# Altium PCB uz_mz_adapter.PcbDoc (part 1 of 2) (continued)
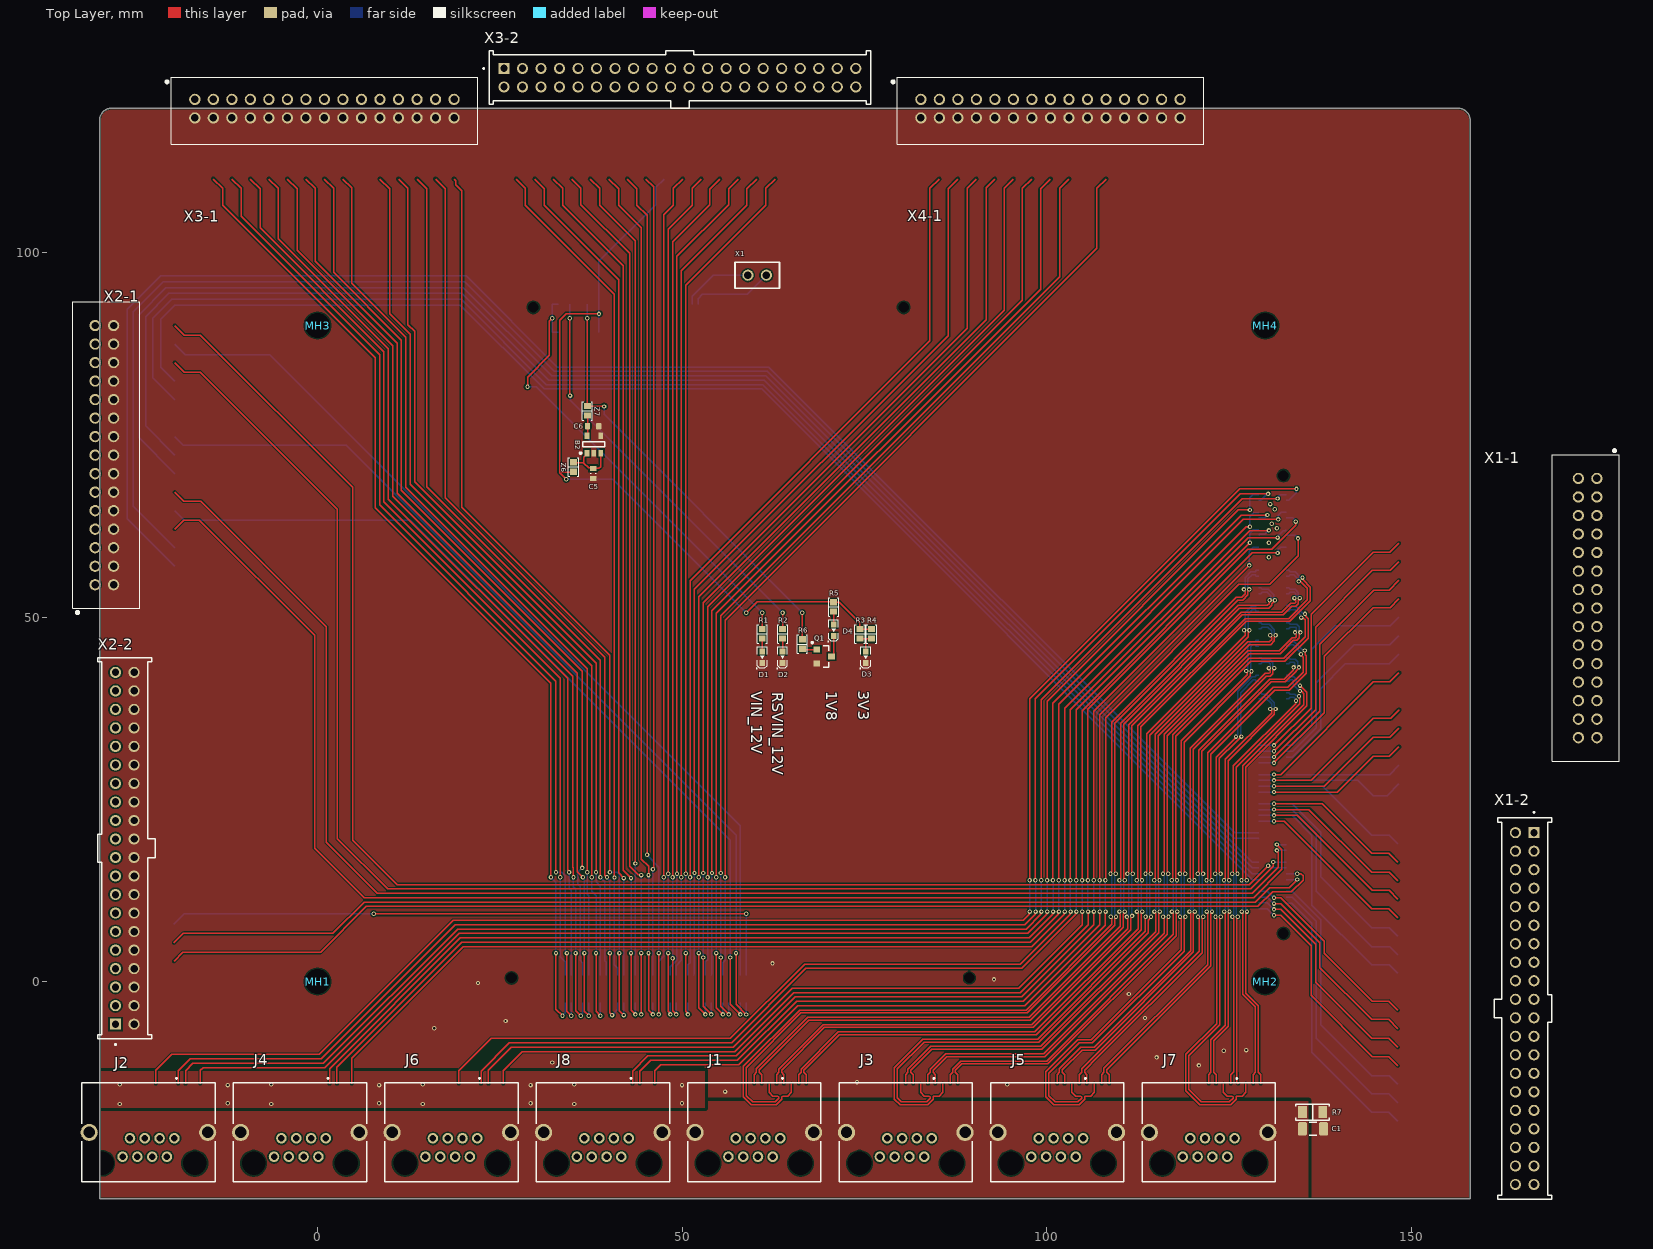
[diagram p0: Top Layer view]
## Classes and differential pairs
component class LDO: B2 C5 C6 Z6 Z7
component class ZB3: X2-1 X3-1 X4-1 Z3
component class ZB2: C1 J1 J2 J3 J4 J5 J6 J7 J8 R7 X1-1 Z2
component class ZB1: D1 D2 D3 D4 MH1 MH2 MH3 MH4 Q1 R1 R2 R3 R4 R5 R6 X1 Z1
differential pair AI: +AI_P1 -AI_N1
differential pair AI: +AI_P10 -AI_N10
differential pair AI: +AI_P12 -AI_N12
differential pair AI: +AI_P14 -AI_N14
differential pair AI: +AI_P16 -AI_N16
differential pair AI: +AI_P15 -AI_N15
differential pair AI: +AI_P13 -AI_N13
differential pair AI: +AI_P11 -AI_N11
differential pair AI: +AI_P9 -AI_N9
differential pair AI: +AI_P4 -AI_N4
differential pair AI: +AI_P5 -AI_N5
differential pair AI: +AI_P6 -AI_N6
differential pair AI: +AI_P8 -AI_N8
differential pair AI: +AI_P7 -AI_N7
differential pair AI: +AI_P3 -AI_N3
differential pair AI: +AI_P2 -AI_N2

## Components (designator, comment, footprint, x,y, rotation, side; value= is the part's Value field where it differs from the comment)
B2 "1.8 V" SOT23-5_L 37.9,73.7 r90 top
C1 "100 pF" C_1206_TE 136.55,-20.2 r90 top
C5 "1 µF" C_0603 37.8,69.7 r90 top
C6 "10 u" C_0603_TE 37.8,76.2 r90 top
D1 "150060BS84000" WL-SMCW_0603 61,44.5 r90 top
D2 "NCD0603W1" WL-SMCW_0603 63.8,44.5 r90 top
D3 "FC-DA1608HOK-600H" WL-SMCW_0603 75.2,44.5 r90 top
D4 "150060YS75000" WL-SMCW_0603 70.8,48.2 r90 top value="LED Yellow"
J1 "RJHSE3M80" RJHSE3M80 63.466,-21.5 r0 top
J2 "RJHSE3M80" RJHSE3M80 -19.646,-21.5 r0 top
J3 "RJHSE3M80" RJHSE3M80 84.244,-21.5 r0 top
J4 "RJHSE3M80" RJHSE3M80 1.132,-21.5 r0 top
J5 "RJHSE3M80" RJHSE3M80 105.022,-21.5 r0 top
J6 "RJHSE3M80" RJHSE3M80 21.91,-21.5 r0 top
J7 "RJHSE3M80" RJHSE3M80 125.8,-21.5 r0 top
J8 "RJHSE3M80" RJHSE3M80 42.688,-21.5 r0 top
MH1 "Mounting Hole M3" MH_3.4 0,0 r90 top value="Mounting Hole"
MH2 "Mounting Hole M3" MH_3.4 130,0 r90 top locked value="Mounting Hole"
MH3 "Mounting Hole M3" MH_3.4 0,90 r90 top locked value="Mounting Hole"
MH4 "Mounting Hole M3" MH_3.4 130,90 r90 top locked value="Mounting Hole"
Q1 "SBC846BLT3G" SOT-23-3_ONSC 69.5,44.6 r0 top value="65 V"
R1 "4k3" "RES 0603_1608" 61,47.7 r90 top
R2 "20k" "RES 0603_1608" 63.8,47.7 r90 top
R3 "1k" "RES 0603_1608" 74.4,47.7 r90 top
R4 "1k" "RES 0603_1608" 76,47.7 r90 top
R5 "470R" "RES 0603_1608" 70.8,51.4 r90 top
R6 "4k3" "RES 0603_1608" 66.5,46.3 r90 top
R7 "1M" "RES 1206_3216" 136.5,-17.9 r0 top
X1 "TSW-102-07-L-S" TSW-102-XX-XXX-S 60.3,96.9 r0 top
X1-1 "IPL1-115-01-L-D-K" IPL1-115-01-YYY-D-K 174.23,51.24 r270 top
X1-2 "IPL1-120-01-L-D-K" SAMTEC_IPL1-120-01-X-D-K 165.6,-3.7 r270 top
X2-1 "IPL1-115-01-L-D-K" IPL1-115-01-YYY-D-K -29.25,72.22 r90 top
X2-2 "IPL1-120-01-L-D-K" SAMTEC_IPL1-120-01-X-D-K -26.45,18.29 r90 top
X3-1 "IPL1-115-01-L-D-K" IPL1-115-01-YYY-D-K 0.94,119.752 r0 top
X3-2 "IPL1-120-01-L-D-K" SAMTEC_IPL1-120-01-X-D-K 49.7,124 r0 top
X4-1 "IPL1-115-01-L-D-K" IPL1-115-01-YYY-D-K 100.54,119.752 r0 top
Z1 "ERM8-060-02.0-L-DV-TR" ERM8-060-02.0-L-DV 55,91 r0 bottom locked
Z2 "ERM8-075-02.0-L-DV-TR" ERM8-075-02.0-L-DV 131,38 r270 bottom locked
Z3 "ERM8-075-02.0-L-DV-TR" ERM8-075-02.0-L-DV 58,-1 r0 bottom locked
Z6 "0R" "RES 0603_1608" 35.1,70.6 r270 top
Z7 "0R" "RES 0603_1608" 37,78.3 r270 top

## Footprints (in the part's own frame and the unit in brackets; to place one, negate y for a bottom-side part, rotate by r counter-clockwise, add the part's x,y. Pads: shape width x height; smd on the part's side, far side on the other; paste and mask are expansions set on the pad)
C_0603 [mm] "Chip Capacitor, Body 1.6x0.8mm, Height 1.0mm, IPC High Density"
  rect 0.7x0.9 smd: 1(-0.7,0) 2(0.7,0)
  silkscreen extent -0.05,-0.35 0.05,0.35, body extent -0.87,-0.47 0.88,0.48, height 1
C_0603_TE [mm] "Vishay VJ0603 1.6 x 0.8 (+0.15/-0.1) 0.4 +/- 0,15mm Kontakte"
  rrect33% 0.88x0.71 smd: 1(0,0.77) 2(0,-0.77)
  body extent -0.4,-0.8 0.4,0.8, height 1
C_1206_TE [mm]
  rrect33% 1.82x1.21 smd: 1(0,1.45) 2(0,-1.45)
  silkscreen extent -0.9,-0.5 0.9,0.5, body extent -0.81,-1.6 0.81,1.6, height 1.82
ERM8-060-02.0-L-DV [mm]
  rrect33% 0.5x1.1 smd: 1(-23.6,1.9) 2(-23.6,-1.9) 3(-22.8,1.9) 4(-22.8,-1.9) 5(-22,1.9) 6(-22,-1.9) 7(-21.2,1.9) 8(-21.2,-1.9) 9(-20.4,1.9) 10(-20.4,-1.9) 11(-19.6,1.9) 12(-19.6,-1.9) 13(-18.8,1.9) 14(-18.8,-1.9) 15(-18,1.9) 16(-18,-1.9) 17(-17.2,1.9) 18(-17.2,-1.9) 19(-16.4,1.9) 20(-16.4,-1.9) 21(-15.6,1.9) 22(-15.6,-1.9) 23(-14.8,1.9) 24(-14.8,-1.9) 25(-14,1.9) 26(-14,-1.9) 27(-13.2,1.9) 28(-13.2,-1.9) 29(-12.4,1.9) 30(-12.4,-1.9) 31(-11.6,1.9) 32(-11.6,-1.9) 33(-10.8,1.9) 34(-10.8,-1.9) 35(-10,1.9) 36(-10,-1.9) 37(-9.2,1.9) 38(-9.2,-1.9) 39(-8.4,1.9) 40(-8.4,-1.9) 41(-7.6,1.9) 42(-7.6,-1.9) 43(-6.8,1.9) 44(-6.8,-1.9) 45(-6,1.9) 46(-6,-1.9) 47(-5.2,1.9) 48(-5.2,-1.9) 49(-4.4,1.9) 50(-4.4,-1.9) 51(-3.6,1.9) 52(-3.6,-1.9) 53(-2.8,1.9) 54(-2.8,-1.9) 55(-2,1.9) 56(-2,-1.9) 57(-1.2,1.9) 58(-1.2,-1.9) 59(-0.4,1.9) 60(-0.4,-1.9) 61(0.4,1.9) 62(0.4,-1.9) 63(1.2,1.9) 64(1.2,-1.9) 65(2,1.9) 66(2,-1.9) 67(2.8,1.9) 68(2.8,-1.9) 69(3.6,1.9) 70(3.6,-1.9) 71(4.4,1.9) 72(4.4,-1.9) 73(5.2,1.9) 74(5.2,-1.9) 75(6,1.9) 76(6,-1.9) 77(6.8,1.9) 78(6.8,-1.9) 79(7.6,1.9) 80(7.6,-1.9) 81(8.4,1.9) 82(8.4,-1.9) 83(9.2,1.9) 84(9.2,-1.9) 85(10,1.9) 86(10,-1.9) 87(10.8,1.9) 88(10.8,-1.9) 89(11.6,1.9) 90(11.6,-1.9) 91(12.4,1.9) 92(12.4,-1.9) 93(13.2,1.9) 94(13.2,-1.9) 95(14,1.9) 96(14,-1.9) 97(14.8,1.9) 98(14.8,-1.9) 99(15.6,1.9) 100(15.6,-1.9) 101(16.4,1.9) 102(16.4,-1.9) 103(17.2,1.9) 104(17.2,-1.9) 105(18,1.9) 106(18,-1.9) 107(18.8,1.9) 108(18.8,-1.9) 109(19.6,1.9) 110(19.6,-1.9) 111(20.4,1.9) 112(20.4,-1.9) 113(21.2,1.9) 114(21.2,-1.9) 115(22,1.9) 116(22,-1.9) 117(22.8,1.9) 118(22.8,-1.9) 119(23.6,1.9) 120(23.6,-1.9)
  round 0 hole 1.45 unplated: H1(-25.4,-1.5) H2(25.4,-1.5)
  silkscreen extent -27,-2.8 27,3.5, body extent -27,-2.8 27,2.8, height 5.96
ERM8-075-02.0-L-DV [mm]
  rrect33% 0.5x1.1 smd: 1(-29.6,1.9) 2(-29.6,-1.9) 3(-28.8,1.9) 4(-28.8,-1.9) 5(-28,1.9) 6(-28,-1.9) 7(-27.2,1.9) 8(-27.2,-1.9) 9(-26.4,1.9) 10(-26.4,-1.9) 11(-25.6,1.9) 12(-25.6,-1.9) 13(-24.8,1.9) 14(-24.8,-1.9) 15(-24,1.9) 16(-24,-1.9) 17(-23.2,1.9) 18(-23.2,-1.9) 19(-22.4,1.9) 20(-22.4,-1.9) 21(-21.6,1.9) 22(-21.6,-1.9) 23(-20.8,1.9) 24(-20.8,-1.9) 25(-20,1.9) 26(-20,-1.9) 27(-19.2,1.9) 28(-19.2,-1.9) 29(-18.4,1.9) 30(-18.4,-1.9) 31(-17.6,1.9) 32(-17.6,-1.9) 33(-16.8,1.9) 34(-16.8,-1.9) 35(-16,1.9) 36(-16,-1.9) 37(-15.2,1.9) 38(-15.2,-1.9) 39(-14.4,1.9) 40(-14.4,-1.9) 41(-13.6,1.9) 42(-13.6,-1.9) 43(-12.8,1.9) 44(-12.8,-1.9) 45(-12,1.9) 46(-12,-1.9) 47(-11.2,1.9) 48(-11.2,-1.9) 49(-10.4,1.9) 50(-10.4,-1.9) 51(-9.6,1.9) 52(-9.6,-1.9) 53(-8.8,1.9) 54(-8.8,-1.9) 55(-8,1.9) 56(-8,-1.9) 57(-7.2,1.9) 58(-7.2,-1.9) 59(-6.4,1.9) 60(-6.4,-1.9) 61(-5.6,1.9) 62(-5.6,-1.9) 63(-4.8,1.9) 64(-4.8,-1.9) 65(-4,1.9) 66(-4,-1.9) 67(-3.2,1.9) 68(-3.2,-1.9) 69(-2.4,1.9) 70(-2.4,-1.9) 71(-1.6,1.9) 72(-1.6,-1.9) 73(-0.8,1.9) 74(-0.8,-1.9) 75(0,1.9) 76(0,-1.9) 77(0.8,1.9) 78(0.8,-1.9) 79(1.6,1.9) 80(1.6,-1.9) 81(2.4,1.9) 82(2.4,-1.9) 83(3.2,1.9) 84(3.2,-1.9) 85(4,1.9) 86(4,-1.9) 87(4.8,1.9) 88(4.8,-1.9) 89(5.6,1.9) 90(5.6,-1.9) 91(6.4,1.9) 92(6.4,-1.9) 93(7.2,1.9) 94(7.2,-1.9) 95(8,1.9) 96(8,-1.9) 97(8.8,1.9) 98(8.8,-1.9) 99(9.6,1.9) 100(9.6,-1.9) 101(10.4,1.9) 102(10.4,-1.9) 103(11.2,1.9) 104(11.2,-1.9) 105(12,1.9) 106(12,-1.9) 107(12.8,1.9) 108(12.8,-1.9) 109(13.6,1.9) 110(13.6,-1.9) 111(14.4,1.9) 112(14.4,-1.9) 113(15.2,1.9) 114(15.2,-1.9) 115(16,1.9) 116(16,-1.9) 117(16.8,1.9) 118(16.8,-1.9) 119(17.6,1.9) 120(17.6,-1.9) 121(18.4,1.9) 122(18.4,-1.9) 123(19.2,1.9) 124(19.2,-1.9) 125(20,1.9) 126(20,-1.9) 127(20.8,1.9) 128(20.8,-1.9) 129(21.6,1.9) 130(21.6,-1.9) 131(22.4,1.9) 132(22.4,-1.9) 133(23.2,1.9) 134(23.2,-1.9) 135(24,1.9) 136(24,-1.9) 137(24.8,1.9) 138(24.8,-1.9) 139(25.6,1.9) 140(25.6,-1.9) 141(26.4,1.9) 142(26.4,-1.9) 143(27.2,1.9) 144(27.2,-1.9) 145(28,1.9) 146(28,-1.9) 147(28.8,1.9) 148(28.8,-1.9) 149(29.6,1.9) 150(29.6,-1.9)
  round 0 hole 1.45 unplated: H1(-31.4,-1.5) H2(31.4,-1.5)
  silkscreen extent -33,-2.8 33,3.25, body extent -33,-2.8 33,2.8, height 5.96
IPL1-115-01-YYY-D-K [mm]
  round 1.55 hole 1.02: 1(-17.78,1.27) 2(-15.24,1.27) 3(-12.7,1.27) 4(-10.16,1.27) 5(-7.62,1.27) 6(-5.08,1.27) 7(-2.54,1.27) 8(0,1.27) 9(2.54,1.27) 10(5.08,1.27) 11(7.62,1.27) 12(10.16,1.27) 13(12.7,1.27) 14(15.24,1.27) 15(17.78,1.27) 16(-17.78,-1.27) 17(-15.24,-1.27) 18(-12.7,-1.27) 19(-10.16,-1.27) 20(-7.62,-1.27) 21(-5.08,-1.27) 22(-2.54,-1.27) 23(0,-1.27) 24(2.54,-1.27) 25(5.08,-1.27) 26(7.62,-1.27) 27(10.16,-1.27) 28(12.7,-1.27) 29(15.24,-1.27) 30(17.78,-1.27)
  silkscreen extent -21.69,-4.85 21.01,4.32, body extent -19.81,-4.19 19.81,3.68, height 8.13
MH_3.4 [mm]
  round 3.1 hole 3.4 unplated: 1(0,0)
"RES 0603_1608" [mm] "Chip Resistor, 2-Leads, Body 1.60x0.80mm, IPC Medium Density"
  rect 0.85x0.95 smd: 1(-0.65,0) 2(0.65,0)
  silkscreen extent -1.27,-0.7 1.27,0.7, body extent -0.8,-0.4 0.8,0.4, height 0.45
"RES 1206_3216" [mm] "Chip Resistor, 2-Leads, Body 3.13x1.55mm, IPC Medium Density"
  rect 1.2x1.65 smd: 1(-1.4,0) 2(1.4,0)
  silkscreen extent -2.3,-1.1 2.3,1.1, body extent -1.6,-0.8 1.6,0.8, height 0.6
RJHSE3M80 [mm]
  round 1.446 hole 0.89: 1(0,0) 2(-1.02,-2.54) 3(-2.03,0) 4(-3.05,-2.54) 5(-4.06,0) 6(-5.08,-2.54) 7(-6.09,0) 8(-7.11,-2.54)
  round 1.625 hole 3.25 unplated: MH3(2.795,-3.43) MH4(-9.905,-3.43)
  round 2.355 hole 1.57: Shell(-11.685,0.81) Shell(4.575,0.81)
  silkscreen extent -12.7,-5.97 5.59,8.32, body extent -12.69,-5.96 5.59,7.61, height 15.89
SAMTEC_IPL1-120-01-X-D-K [mm]
  rect 1.53x1.53 hole 1.02: 1(-24.13,1.27)
  round 1.53 hole 1.02: 2(-21.59,1.27) 3(-19.05,1.27) 4(-16.51,1.27) 5(-13.97,1.27) 6(-11.43,1.27) 7(-8.89,1.27) 8(-6.35,1.27) 9(-3.81,1.27) 10(-1.27,1.27) 11(1.27,1.27) 12(3.81,1.27) 13(6.35,1.27) 14(8.89,1.27) 15(11.43,1.27) 16(13.97,1.27) 17(16.51,1.27) 18(19.05,1.27) 19(21.59,1.27) 20(24.13,1.27) 21(-24.13,-1.27) 22(-21.59,-1.27) 23(-19.05,-1.27) 24(-16.51,-1.27) 25(-13.97,-1.27) 26(-11.43,-1.27) 27(-8.89,-1.27) 28(-6.35,-1.27) 29(-3.81,-1.27) 30(-1.27,-1.27) 31(1.27,-1.27) 32(3.81,-1.27) 33(6.35,-1.27) 34(8.89,-1.27) 35(11.43,-1.27) 36(13.97,-1.27) 37(16.51,-1.27) 38(19.05,-1.27) 39(21.59,-1.27) 40(24.13,-1.27)
  silkscreen extent -27.02,-4.2 26.16,3.67, body extent -26.16,-4.19 26.16,3.68, height 8.13
SOT23-5_L [mm] "SOT23, 5-Leads, Body 2.9x1.6mm, Pitch 0.95mm, Lead Span 2.8mm, IPC High Density"
  rect 0.9x0.65 smd: 1(-1.2,0.95) 2(-1.2,0) 3(-1.2,-0.95) 4(1.2,-0.95) 5(1.2,0.95)
  silkscreen extent -1.32,-1.5 0.35,1.95, body extent -0.87,-1.5 0.87,1.5, height 1.45
SOT-23-3_ONSC [mm] "SOT23, 3-Leads, Body 2.92x1.3mm, Pitch 0.95mm"
  rect 0.9x0.8 smd: 1(-1,0.95) 2(-1,-0.95) 3(1,0)
  silkscreen extent -1.77,-1.46 0.65,2.03, body extent -0.65,-1.46 0.65,1.46, height 1.11
TSW-102-XX-XXX-S [mil]
  round 60 hole 40 mask+3: 1(-50,0) 2(50,0)
  silkscreen extent -120,-70 120,70, body extent -105,-50 100,50, height 330
WL-SMCW_0603 [mm] "SMD Mono-color Chip LED, body 1.6x0.8mm"
  rect 0.8x0.8 smd: 1(-0.8,0) 2(0.8,0)
  silkscreen extent -1.59,-0.65 1.45,0.83, body extent -0.8,-0.4 0.8,0.4, height 0.7

## Part data
B2: library part TPS7A2018PDBVR, "300mA, ultra-low noise, LDO, 1V6 < Vin < 6V, 0.8V < Vout < 5V5", Device Package=SOT-23-5L, LCSC Part Number=C963430, Manufacturer="Texas Instruments", Mouser Part Number=595-TPS7A2018PDBVR, Operating Temperature="-40 to +125 °C", Component Type=LDO, ComponentLink1Description=Datasheet, ComponentLink1URL=https://www.ti.com/lit/ds/symlink/tps7a20.pdf, Created from=RWeimer, Created On="29.05.2026 15:18:52", Datasheet Link=https://datasheet.datasheetarchive.com/originals/distributors/Datasheets_SAMA/e65d9d311cedf91014769949f3101225.pdf, Geometry.Height=1.45mm, Last Updated="29.05.2026 15:18:52", Live Cycle Status=1, Manufacturer Part Number=TPS7A2018PDBVR, Manufacturer_Name="Texas Instruments", Manufacturer_Part_Number=TPS7A2018PDBVR, Mounting Type=SMD, Mouser Price/Stock=https://www.mouser.co.uk/ProductDetail/Texas-Instruments/TPS7A2018PDBVR?qs=hd1VzrDQEGheW9qdrIVGew%3D%3D, PartID=28, Series=TPS7A20, Stock number="not stored", Supplier 1=Mouser, Supplier 2=LCSC, Supplier Part Number 1=595-TPS7A2018PDBVR, Supplier Part Number 2=C963430, Type=LDO
C1: library part CC1206JKNPODBN101, "2kV 100pF NP0 ±5% 1206 Multilayer Ceramic Capacitors MLCC - SMD/SMT ROHS", Device Package=1206, LCSC Part Number=C113876, Manufacturer=YAGEO, Operating Temperature="-55 to +125°C", Tolerance="5 %", Voltage Rating="2000 VDC", Component Type="Capacitor 1206", ComponentLink1Description=Datasheet, ComponentLink1URL=https://datasheet.lcsc.com/lcsc/2108131530_YAGEO-CC1206JKNPODBN101_C113876.pdf, Created from=AGeiger, Created On="02.12.2022 11:59:53", Last Updated="22.04.2025 15:53:45", Live Cycle Status=1, Manufacturer Part Number=CC1206JKNPODBN101, Mounting Type=SMD, PartID=115, Series=NP0, Supplier 1=LCSC, Supplier Part Number 1=C113876, Type=Capacitor
C5: library part C0603C105K3RAC7411, "Capacitor 0603, 25 VDC, 1 µF, X7R", Device Package=0603, LCSC Part Number=C2177372, Manufacturer=KEMET, Operating Temperature="-55 - 125°C", Supplier Part Number 1=80-C0603C105K3RLR, Tolerance="10 %", Voltage Rating="25 VDC", Component Type="Capacitor 0603", ComponentLink1Description=Datasheet, ComponentLink1URL=https://www.mouser.de/datasheet/2/212/KEM_C1002_X7R_SMD-1102033.pdf, Created from=MGremer, Created On="20.12.2020 13:54:13", Last Updated="03.06.2026 10:02:26", Live Cycle Status=1, Manufacturer Part Number=C0603C105K3RAC7411, Mounting Type=SMD, PartID=4, Series="SMD Comm X7R", Stock number="Labor SMD Container", Supplier 1=Mouser, Supplier 2=LCSC, Supplier Part Number 2=C2177372, Type=Capacitor
C6: library part HGC0603R5106K350NTHJ, "10uF 35V X5R ±10% 0603 Multilayer Ceramic Capacitors MLCC", Device Package=0603, LCSC Part Number=C22367826, Manufacturer=Chinocera, Operating Temperature="-55 to + 85°C", Tolerance="10 %", Voltage Rating="35 V", Component Type="Capacitor 0603", ComponentLink1Description=Datasheet, ComponentLink1URL=https://www.lcsc.com/datasheet/C22367826.pdf, Created from=RWeimer, Created On="22.06.2026 13:41:26", Last Updated="22.06.2026 13:41:26", Live Cycle Status=1, Manufacturer Part Number=HGC0603R5106K350NTHJ, Mounting Type=SMD, PartID=513, Series=X5R, Supplier 1=LCSC, Supplier Part Number 1=C22367826, Type=Capacitor
D1: "WL-SMCW SMD Mono-color Chip LED Waterclear Blue", Color=blue, Device Package=0603, Forward Current I_f="20 mA", Forward Voltage U_f="3.2 V", LCSC Part Number=C5197644, Manufacturer="Wuerth Elektronik", Nominal Power="78 mW", Operating Temperature="-40 - 85 °C", Supplier Part Number 1=710-150060BS84000, Component Type="LED Diode", ComponentLink1Description=Datasheet, ComponentLink1URL=https://www.we-online.com/components/products/datasheet/150060BS75000.pdf, Created from=MGremer, Created On="08.12.2020 10:19:38", Last Updated="22.04.2026 11:55:05", Light Intensity="560 mcd", Live Cycle Status=1, Manufacturer Part Number=150060BS84000, Mounting Type=SMD, PartID=1, Stock number="not stored", Supplier 1=Mouser, Supplier 2=Farnell, Supplier 3=Digi-Key, Supplier Part Number 2=3408611, Supplier Part Number 3=732-150060BS84000CT-ND, Type=Standard, Wavelength="470 nm"
D2: "White light 0603 Light Emitting Diodes (LED) ROHS", Color=white, Device Package=0603, Forward Current I_f="20 mA", Forward Voltage U_f="2.8 V", LCSC Part Number=C84265, Manufacturer="Foshan NationStar Optoelectronics", Nominal Power="72 mW", Operating Temperature="-40 - 85 °C", Component Type="LED Diode", ComponentLink1Description=Datasheet, ComponentLink1URL=https://www.lcsc.com/datasheet/C84265.pdf, Created from=NDiringer, Created On="03.05.2022 13:11:03", Last Updated="22.04.2026 11:55:05", Light Intensity="250 mcd", Live Cycle Status=1, Manufacturer Part Number=NCD0603W1, Mounting Type=SMD, PartID=13, Stock number="not stored", Supplier 1=LCSC, Supplier Part Number 1=C84265, Type=Standard
D3: "LED ORANGE 600~610NM 80~220MCD@20MA TOP VIEW 0603 ROHS", Color=amber, Device Package=0603, Forward Current I_f="20 mA", Forward Voltage U_f="2 V", LCSC Part Number=C84269, Manufacturer="Foshan NationStar Optoelectronics", Nominal Power="40 mW", Operating Temperature="-40 - 85 °C", Component Type="LED Diode", ComponentLink1Description=Datasheet, ComponentLink1URL=https://www.lcsc.com/datasheet/C84269.pdf, Created from="T. Wendt", Created On="03.03.2021 09:59:51", Last Updated="22.04.2026 11:55:05", Light Intensity="150 mcd", Live Cycle Status=1, Manufacturer Part Number=FC-DA1608HOK-600H, Mounting Type=SMD, PartID=10, Stock number="not stored", Supplier 1=LCSC, Supplier Part Number 1=C84269, Type=Standard, Wavelength="604 nm"
D4: "LED Yellow 20mA 2V 0603", Color=yellow, Device Package=0603, Forward Current I_f="20 mA", Forward Voltage U_f="2 V", LCSC Part Number=C6784997, Manufacturer="Wuerth Elektronik", Operating Temperature="-40 to +85 °C", Component Type="LED Diode", ComponentLink1Description=Datasheet, ComponentLink1URL=https://www.we-online.com/components/products/datasheet/150060YS75000.pdf, Created from=RWeimer, Created On="03.06.2026 10:18:01", Last Updated="03.06.2026 10:18:43", Live Cycle Status=1, Manufacturer Part Number=150060YS75000, Mounting Type=SMD, PartID=37, Stock number="not stored", Supplier 1=LCSC, Supplier Part Number 1=C6784997, Type=Standard, Wavelength="590 nm"
J1 J2 J3 J4 J5 J6 J7 J8: "CAT5, RJ45 Connector, 1 port, vertical", Device Package=RJ45, LCSC Part Number=C3179193, Manufacturer=Amphenol, Supplier Part Number 1=523-RJHSE3M80, Component Type="RJ45 Connector", ComponentLink1Description=Datasheet, ComponentLink1URL=https://cdn.amphenol-cs.com/media/wysiwyg/files/documentation/datasheet/inputoutput/io-modjack-rjhse.pdf, Created from=DHufnagel, Created On="06.06.2023 05:55:53", Last Updated="06.06.2023 05:55:53", Live Cycle Status=1, Manufacturer Part Number=RJHSE3M80, Mounting Type=THT, PartID=12, Series=RJHSE, Stock number="not stored", Supplier 1=Mouser, Supplier 2=LCSC, Supplier Part Number 2=C3179193, Type="RJ45 Connector"
MH1 MH2 MH3 MH4: library part "Mounting Hole", "Mounting Hole", Device Package=-, Component Type="Mounting Hole", ComponentLink1Description=Datasheet, Created from=MHlatky, Created On="26.01.2021 09:19:51", Last Updated="21.03.2022 23:05:12", Live Cycle Status=1, Manufacturer="Mounting Hole", Manufacturer Part Number="Mounting Hole M3", PartID=16, Stock number="not stored", Supplier 1="Mounting Hole", Supplier Part Number 1="Mounting Hole", Type="Mounting Hole"
Q1: "Bipolartransistor, NPN 100mA 80V", Collector Basis Voltage="80 V", Collector Emitter Voltage="65 V", Device Package=SOT-23-3, LCSC Part Number=C896883, Manufacturer=onsemi, Operating Temperature="-55 - +150°C", Power Dissipation="225 mW", Supplier Part Number 1=863-SBC846BLT3G, Component Type=Bipolartransistor, ComponentLink1Description=Datasheet, ComponentLink1URL=https://www.lcsc.com/datasheet/C896883.pdf, Created from=RWeimer, Created On="22.06.2026 10:09:39", Last Updated="22.06.2026 10:09:39", Live Cycle Status=1, Manufacturer Part Number=SBC846BLT3G, Mounting Type=SMD, Number of Channels=single, PartID=7, Polarization=NPN, Series=BC846BL, Supplier 1=Mouser, Supplier 2=LCSC, Supplier Part Number 2=C896883, Type=Bipolartransistor
R1 R6: library part RK73B1JTTD432J, "SMD resistor E24 series", Device Package=0603, LCSC Part Number=C307285, Manufacturer="KOA Speer", Supplier Part Number 1=660-RK73B1JTTD432J, Tolerance=5%, Component Type="SMD resistor", ComponentLink1Description=Datasheet, ComponentLink1URL=https://www.mouser.de/datasheet/2/219/RK73B-1825463.pdf, Created from=MGremer, Created On="14.12.2020 16:17:14", Last Updated="10.04.2026 07:56:16", Live Cycle Status=1, Manufacturer Part Number=RK73B1JTTD432J, Mounting Type=SMD, PartID=89, Stock number="Labor SMD Container", Supplier 1=Mouser, Type=Resistor
R2: library part 0603WAF2002T5E, "SMD resistor E24 series", Device Package=0603, LCSC Part Number=C4184, Manufacturer=UNI-ROYAL, Tolerance=1%, Component Type="SMD resistor", ComponentLink1Description=Datasheet, ComponentLink1URL=https://datasheet.lcsc.com/lcsc/2206010230_UNI-ROYAL-Uniroyal-Elec-0603WAF2002T5E_C4184.pdf, Created from=AGeiger, Created On="14.12.2020 16:17:14", Last Updated="25.08.2022 20:05:50", Live Cycle Status=1, Manufacturer Part Number=0603WAF2002T5E, Mounting Type=SMD, PartID=105, Stock number="Labor SMD Container", Supplier 1=LCSC, Supplier Part Number 1=C4184, Type=Resistor
R3 R4: library part 0603WAF1001T5E, "SMD resistor E24 series", Device Package=0603, LCSC Part Number=C21190, Manufacturer=UNI-ROYAL, Tolerance=1%, Component Type="SMD resistor", ComponentLink1Description=Datasheet, ComponentLink1URL=https://datasheet.lcsc.com/lcsc/2206010130_UNI-ROYAL-Uniroyal-Elec-0603WAF1001T5E_C21190.pdf, Created from=AGeiger, Created On="14.12.2020 16:17:14", Last Updated="25.08.2022 16:01:46", Live Cycle Status=1, Manufacturer Part Number=0603WAF1001T5E, Mounting Type=SMD, PartID=74, Stock number="Labor SMD Container", Supplier 1=LCSC, Supplier Part Number 1=C21190, Type=Resistor
R5: library part RK73B1JTTD471J, "SMD resistor E24 series", Device Package=0603, LCSC Part Number=C23179, Manufacturer="KOA Speer", Supplier Part Number 1=660-RK73B1JTTD471J, Tolerance=5%, Component Type="SMD resistor", ComponentLink1Description=Datasheet, ComponentLink1URL=https://www.mouser.de/datasheet/2/219/RK73B-1825463.pdf, Created from=MGremer, Created On="14.12.2020 16:17:14", Last Updated="04.03.2021 10:03:02", Live Cycle Status=1, Manufacturer Part Number=RK73B1JTTD471J, Mounting Type=SMD, PartID=66, Stock number="Labor SMD Container", Supplier 1=Mouser, Supplier 2=LCSC, Supplier Part Number 2=C23179, Type=Resistor
R7: library part 1206W4F1004T5E, "250mW Thick Film Resistors 200V ±100ppm/℃ ±1% -55℃~+155℃ 1MΩ 1206 Chip Resistor - Surface Mount ROHS", Device Package=1206, LCSC Part Number=C17927, Manufacturer=UNI-ROYAL, Tolerance=1%, Component Type="SMD resistor", ComponentLink1Description=Datasheet, ComponentLink1URL=https://datasheet.lcsc.com/lcsc/2206010145_UNI-ROYAL-Uniroyal-Elec-1206W4F1004T5E_C17927.pdf, Created from=AGeiger, Created On="02.12.2022 11:50:50", Last Updated="02.12.2022 11:50:50", Live Cycle Status=1, Manufacturer Part Number=1206W4F1004T5E, Mounting Type=SMD, PartID=248, Supplier 1=LCSC, Supplier Part Number 1=C17927, Type=Resistor
X1: "Classic PCB Header Strips, 0.100\" pitch", LCSC Part Number=C492401, Manufacturer=SAMTEC, Operating Temperature="-55 °C to +105 °C", ComponentLink1Description=Datasheet, ComponentLink1URL=https://suddendocs.samtec.com/catalog_english/tsw_th.pdf, CREATED BY="May 18, 2016 - Wendy Xin", Created from=AGeiger, Created On="26.06.2023 09:51:05", Last Updated="26.06.2023 09:53:59", Manufacturer Part Number=TSW-102-07-L-S, Mounting Type=SMD, PartID=20, PCB DECAL=TSW-102-XX-XXX-S, Series=TSW, Supplier 1=LCSC, Supplier Part Number 1=C492401
X1-1 X2-1 X3-1 X4-1: "2.54 mm Double Row Terminal Assembly", Device Package=Connector, Manufacturer=SAMTEC, Component Type="Samtec Connector", ComponentLink1Description=Homepage, ComponentLink1URL=https://www.samtec.com/de/products/ipl1, Created from=MGremer, Created On="01.12.2020 18:14:32", Last Updated="15.02.2021 10:08:03", Live Cycle Status=1, Manufacturer Part Number=IPL1-115-01-L-D-K, Mounting Type=THT, Number of positions=30, Number of rows=2, PartID=28, Stock number="not stored", Supplier 1=SAMTEC, Supplier Part Number 1=IPL1-115-01-L-D-K, Type=Connector
X1-2 X2-2 X3-2: "Terminal Assembly, Double Row, Thru-Hole, 2.54 mm x 2.54 mm Pitch, 40 Pins", Device Package=Connector, Manufacturer=SAMTEC, Component Type="Samtec Connector", ComponentLink1Description=Homepage, ComponentLink1URL=https://www.samtec.com/products/ipl1, Created from=PBaumann, Created On="24.03.2021 02:48:34", Last Updated="27.05.2022 12:12:18", Live Cycle Status=1, Manufacturer Part Number=IPL1-120-01-L-D-K, Mounting Type=THT, Number of positions=40, Number of rows=2, PartID=42, Stock number="not stored", Supplier 1=SAMTEC, Supplier Part Number 1=IPL1-120-01-L-D-K, Type=Connector
Z1: "0.80 mm Edge Rate Rugged High Speed", LCSC Part Number=C3649339, Manufacturer=SAMTEC, Operating Temperature="-55 °C to +125 °C", ComponentLink1Description=Datasheet, ComponentLink1URL=https://suddendocs.samtec.com/catalog_english/erm8.pdf, Created from=AGeiger, Created On="15.08.2025 09:35:44", Last Updated="23.09.2025 10:14:21", Manufacturer Part Number=ERM8-060-02.0-L-DV-TR, Mounting Type=SMD, PartID=61, Series=ERM8, Supplier 1=LCSC, Supplier Part Number 1=C3649339
Z2 Z3: "0.80 mm Edge Rate Rugged High Speed", LCSC Part Number=C6845629, Manufacturer=SAMTEC, Operating Temperature="-55 °C to +125 °C", ComponentLink1Description=Datasheet, ComponentLink1URL=https://suddendocs.samtec.com/catalog_english/erm8.pdf, Created from=AGeiger, Created On="15.08.2025 09:35:44", Last Updated="23.09.2025 10:14:21", Manufacturer Part Number=ERM8-075-02.0-L-DV-TR, Mounting Type=SMD, PartID=62, Series=ERM8, Supplier 1=LCSC, Supplier Part Number 1=C6845629
Z6 Z7: library part RC0603JR-070RL, "SMD resistor E24 series", Device Package=0603, LCSC Part Number=C21189, Manufacturer=YAGEO, Supplier Part Number 1=603-RC0603JR-070RL, Tolerance=5%, Component Type="SMD resistor", ComponentLink1Description=Datasheet, ComponentLink1URL=https://www.mouser.de/datasheet/2/447/PYu-RC_Group_51_RoHS_L_10-1664068.pdf, Created from=MGremer, Created On="14.12.2020 16:17:14", Last Updated="04.03.2021 09:09:42", Live Cycle Status=1, Manufacturer Part Number=RC0603JR-070RL, Mounting Type=SMD, PartID=1, Stock number="Labor SMD Container", Supplier 1=Mouser, Supplier 2=LCSC, Supplier Part Number 2=C21189, Type=Resistor

## Via types
v1: diameter 0.6, hole 0.3, Top Layer to Bottom Layer, tented both sides, 287 vias

## Nets (pads, with @x,y where several pads share a name; then routed paths per layer and width w, separated by ;. In a path a pad name is that pad's centre, name@x,y a point inside that pad or via, vN(x,y) a via of type N, cw(c..) or ccw(c..) an arc to the next point about the centre after c; other vN are vias at no path point)
1V8: R6.2 Z1.15 Z1.16 Z7.1 | length 61.4
  Top Layer w0.2: v1(37,91) Z7.1@37,78.95 37.05,78.9 v1(39.3,78.9) ; R6.2@66.5,46.95 v1(66.5,50.6)
  Bottom Layer w0.2: Z1.15@37,89.1 v1(37,91) Z1.16@37,92.9 ; v1(39.3,78.9) 39.3,77.8 v1(66.5,50.6)
3V3: R3.2 R4.2 R5.2 X3-2.10 Z1.19 Z1.20 Z6.2 | length 106.7
  Top Layer w0.2: v1(34.1,68.9) 33.2,69.8 33.2,69.9 ; Z6.2@35.1,69.95 35.05,69.9 33.2,69.9 ; v1(38.6,91.6) 34.1,91.6 33.2,90.7 33.2,69.9 ; v1(58.8,50.6) 60.3,52.1 70.75,52.1 R5.2@70.8,52.05 71.55,52.05 74.4,49.2 R3.2@74.4,48.35 R4.2@76,48.35
  Bottom Layer w0.2: v1(34.1,68.9) 40.5,68.9 v1(58.8,50.6) ; Z1.19@38.6,89.1 v1(38.6,91.6) Z1.20@38.6,92.9 38.6,98.8 46.4,106.6 46.4,108.94 47.56,110.1
3V3_unused1: X1-2.10
3V3_unused2: X2-2.10
5V_unused1: X1-2.20
5V_unused2: X2-2.20
5V_unused3: X3-2.20
24V_unused1: X1-1.1
24V_unused2: X1-2.1
24V_unused3: X2-1.1
24V_unused4: X2-2.1
24V_unused5: X3-1.1
24V_unused6: X3-2.1
24V_unused7: X4-1.1
AGND: J2.2 J2.5 J2.6 J2.8 J4.2 J4.5 J4.6 J6.2 J6.5 J6.6 J6.8 J8.2 J8.5 J8.6 Z2.1 Z2.2 Z2.7 Z2.8 Z2.13 Z2.14 Z2.19 Z2.20 Z2.25 Z2.26
  other v1: -27.134,-16.8 -6.356,-16.8 14.422,-16.8 35.2,-16.8 -12.334,-16.7 8.444,-16.7 29.222,-16.7 50,-16.7 -12.334,-14.2 8.444,-14.2 29.222,-14.2 50,-14.2 -27.134,-14.1 -6.356,-14.1 14.422,-14.1 35.2,-14.1 130.5,58.2 130.5,60.2 131.6,62.2 130.9,62.8 131.3,64.8 130.7,65.5
AI_N1: J1.2 Z2.32 | length 120.3
  Top Layer w0.2: 66.016,-13.995 66.016,-12.775 66.326,-12.465 66.326,-12.004 71.43,-6.9 98.4,-6.9 112.562,7.262 112.562,9.328 112.475,9.415 112.475,9.523 v1(112.398,9.6) ; v1(112.373,13.9) 112.373,14.008 112.537,14.172 112.537,35.102 127.234,49.8 133.2,49.8 135.8,52.4 135.8,53.931 134.908,54.823 134.677,54.823 v1(134.6,54.9)
  Bottom Layer w0.2: v1(112.373,13.9) 112.373,13.792 112.562,13.603 112.562,9.872 112.398,9.708 v1(112.398,9.6) ; Z2.32@132.9,55.6 133.2,55.6 133.4,55.8 133.931,55.8 134.523,55.208 134.523,54.977 v1(134.6,54.9)
AI_N2: J1.6 Z2.31 | length 128.2
  Top Layer w0.2: 61.936,-13.995 61.936,-15.215 62.43,-15.709 63.149,-15.709 63.266,-15.826 63.266,-15.992 62.758,-16.5 59.666,-16.5 58.8,-15.634 58.8,-11.8 66.3,-4.3 97.366,-4.3 109.362,7.696 109.362,8.628 109.525,8.792 v1(109.525,8.9) ; v1(109.5,14.8) 109.5,14.908 109.336,15.072 109.336,35.437 126.224,52.324 126.926,52.324 127.637,53.034 127.637,53.528 127.8,53.692 v1(127.8,53.8)
  Bottom Layer w0.2: v1(109.5,14.8) 109.5,14.692 109.362,14.553 109.362,9.172 109.525,9.008 v1(109.525,8.9) ; v1(127.8,53.8) 127.8,53.908 127.637,54.072 127.637,55.237 128.2,55.8 128.6,55.8 128.8,55.6 Z2.31@129.1,55.6
AI_N3: J1.5 Z2.38 | length 118.7
  Top Layer w0.2: 62.956,-13.995 62.956,-12.775 63.266,-12.465 63.266,-12.004 69.37,-5.9 98,-5.9 111.155,7.255 111.155,8.563 111.104,8.613 111.104,8.803 v1(111.028,8.88) ; v1(111.095,14.8) 111.095,14.908 111.259,15.072 111.259,35.259 126.7,50.7 132.3,50.7 133.483,51.883 134.046,51.883 134.164,52 134.164,52.328 134,52.492 v1(134,52.6)
  Bottom Layer w0.2: v1(111.028,8.88) 111.028,8.988 111.259,9.219 111.259,14.528 v1@111.138,14.649 ; Z2.38@132.9,53.2 133.2,53.2 133.4,53.4 133.964,53.4 134.164,53.2 134.164,52.872 134,52.708 v1(134,52.6)
AI_N4: J1.8 Z2.37 | length 118.6
  Top Layer w0.2: 59.896,-13.995 59.896,-12.775 60.206,-12.465 60.206,-11.928 67.234,-4.9 97.6,-4.9 110.101,7.601 110.101,9.283 110.075,9.309 110.075,9.523 v1(109.998,9.6) ; v1(110,13.9) 110,14.008 110.164,14.172 110.164,35.464 126.3,51.6 130.31,51.6 130.523,51.813 130.523,52.223 v1(130.6,52.3)
  Bottom Layer w0.2: v1(109.998,9.6) 109.998,9.708 110.162,9.872 110.162,11.715 110.164,11.717 110.164,13.628 110,13.792 v1(110,13.9) ; Z2.37@129.1,53.2 129.4,53.2 129.6,53.4 130.264,53.4 130.764,52.9 130.764,52.572 130.6,52.408 v1(130.6,52.3)
AI_N5: J3.2 Z2.44 | length 97.1
  Top Layer w0.2: 86.794,-13.995 86.794,-12.775 87.104,-12.465 87.104,-12.004 88.208,-10.9 100,-10.9 117.362,6.462 117.362,9.328 117.198,9.492 v1(117.198,9.6) ; v1(117.173,13.9) 117.173,14.008 117.337,14.172 117.337,33.847 127.825,44.336 132.536,44.336 135.477,47.277 135.477,49.619 135.245,49.852 135.014,49.852 v1(134.937,49.928)
  Bottom Layer w0.2: v1(117.173,13.9) 117.173,13.792 117.362,13.603 117.362,9.872 117.198,9.708 v1(117.198,9.6) ; Z2.44@132.9,50.8 133.2,50.8 133.4,51 134.097,51 134.861,50.236 134.861,50.005 v1(134.937,49.928)
AI_N6: J3.6 Z2.43 | length 105.6
  Top Layer w0.2: 82.714,-13.995 82.714,-15.215 83.208,-15.709 83.927,-15.709 84.044,-15.826 84.044,-15.992 83.536,-16.5 80.066,-16.5 79.534,-15.969 79.534,-11.966 83.2,-8.3 98.966,-8.3 113.971,6.705 113.971,8.438 114.325,8.792 v1(114.325,8.9) ; v1(114.3,14.8) 114.3,14.908 114.137,15.072 114.137,33.8 127.663,47.327 127.663,47.928 127.827,48.092 v1(127.827,48.2)
  Bottom Layer w0.2: v1(114.3,14.8) 114.3,14.692 114.162,14.553 114.162,9.172 114.325,9.008 v1(114.325,8.9) ; v1(127.827,48.2) 127.827,48.308 127.663,48.472 127.663,50.413 128.25,51 128.6,51 128.8,50.8 Z2.43@129.1,50.8
AI_N7: J3.5 Z2.50 | length 96
  Top Layer w0.2: 83.734,-13.995 83.734,-12.775 84.044,-12.465 84.044,-12.004 86.148,-9.9 99.6,-9.9 116.162,6.662 116.162,8.628 115.998,8.792 v1(115.998,8.9) ; v1(115.973,14.8) 115.973,14.908 116.137,15.072 116.137,33.902 127.634,45.4 131.9,45.4 133.692,47.192 134.135,47.192 134.252,47.309 134.252,47.64 134.091,47.801 v1(134.091,47.909)
  Bottom Layer w0.2: v1(115.973,14.8) 115.973,14.692 116.162,14.503 116.162,9.172 115.998,9.008 v1(115.998,8.9) ; Z2.50@132.9,48.4 133.2,48.4 133.4,48.6 134.175,48.6 134.266,48.509 134.266,48.192 134.091,48.017 v1(134.091,47.909)
AI_N8: J3.8 Z2.49 | length 95.9
  Top Layer w0.2: 80.674,-13.995 80.674,-12.775 80.984,-12.465 80.984,-12.004 84.088,-8.9 99.2,-8.9 114.962,6.862 114.962,9.328 114.798,9.492 v1(114.798,9.6) ; v1(114.773,13.9) 114.773,14.008 114.937,14.172 114.937,33.902 127.634,46.6 130.563,46.6 130.864,46.9 130.864,47.228 130.7,47.392 v1(130.7,47.5)
  Bottom Layer w0.2: v1(114.773,13.9) 114.773,13.792 114.962,13.603 114.962,9.872 114.798,9.708 v1(114.798,9.6) ; Z2.49@129.1,48.4 129.4,48.4 129.6,48.6 130.364,48.6 130.864,48.1 130.864,47.772 130.7,47.608 v1(130.7,47.5)
AI_N9: J5.2 Z2.56 | length 74.7
  Top Layer w0.2: 107.572,-13.995 107.572,-12.775 107.882,-12.465 107.882,-11.918 122.137,2.337 122.137,9.328 121.973,9.492 v1(121.973,9.6) ; v1(121.948,13.9) 121.948,14.008 122.112,14.172 122.112,31.377 131.117,40.383 133.117,40.383 135.2,42.466 135.2,44.492 134.9,44.792 v1(134.9,44.9)
  Bottom Layer w0.2: v1(121.948,13.9) 121.948,13.792 122.137,13.603 122.137,9.872 121.973,9.708 v1(121.973,9.6) ; Z2.56@132.9,46 133.2,46 133.4,46.2 133.831,46.2 134.823,45.208 134.823,44.977 v1(134.9,44.9)
AI_N10: J5.6 Z2.55 | length 83.9
  Top Layer w0.2: 103.492,-13.995 103.492,-15.215 103.986,-15.709 104.705,-15.709 104.822,-15.826 104.822,-15.992 104.314,-16.5 101.166,-16.5 100.3,-15.634 100.3,-12.566 104.466,-8.4 106.3,-8.4 118.887,4.187 118.887,8.629 119.05,8.792 v1(119.05,8.9) ; v1(119.022,14.8) 119.022,14.908 118.859,15.072 118.859,32.859 127.943,41.943 127.943,42.281 128.126,42.465 v1(128.126,42.573)
  Bottom Layer w0.2: v1(119.022,14.8) 119.022,14.692 118.88,14.55 118.88,9.178 119.05,9.008 v1(119.05,8.9) ; v1(128.126,42.573) 128.126,42.681 127.983,42.824 127.983,45.933 128.25,46.2 128.6,46.2 128.8,46 Z2.55@129.1,46
AI_N11: J5.5 Z2.62 | length 72.6
  Top Layer w0.2: 104.512,-13.995 104.512,-12.775 104.822,-12.465 104.822,-11.978 106.8,-10 120.937,4.136 120.937,8.628 120.773,8.792 v1(120.773,8.9) ; v1(120.748,14.8) 120.748,14.908 120.912,15.072 120.912,31.766 130.646,41.5 132.6,41.5 133.823,42.723 133.823,43.023 v1(133.9,43.1)
  Bottom Layer w0.2: v1(120.748,14.8) 120.748,14.692 120.937,14.503 120.937,9.172 120.773,9.008 v1(120.773,8.9) ; Z2.62@132.9,43.6 133.2,43.6 133.4,43.8 133.946,43.8 134.064,43.683 134.064,43.372 133.9,43.208 v1(133.9,43.1)
AI_N12: J5.8 Z2.61 | length 73.3
  Top Layer w0.2: 101.452,-13.995 101.452,-12.775 101.762,-12.465 101.762,-11.938 104.7,-9 106.534,-9 119.762,4.227 119.762,9.328 119.598,9.492 v1(119.598,9.6) ; v1(119.573,13.9) 119.573,14.008 119.737,14.172 119.737,32.036 129.983,42.283 130.546,42.283 130.664,42.4 130.664,42.728 130.5,42.892 v1(130.5,43)
  Bottom Layer w0.2: v1(119.573,13.9) 119.573,13.792 119.762,13.603 119.762,9.872 119.598,9.708 v1(119.598,9.6) ; Z2.61@129.1,43.6 129.4,43.6 129.6,43.8 130.464,43.8 130.664,43.6 130.664,43.272 130.5,43.108 v1(130.5,43)
AI_N13: J7.2 Z2.68 | length 61.7
  Top Layer w0.2: v1(126.748,13.9) 126.748,14.008 126.9,14.16 126.9,29.6 135.3,38 135.3,39.512 135.085,39.726 135.014,39.726 134.88,39.861 v1(134.771,39.861) ; v1(126.773,9.6) 126.773,9.492 126.936,9.328 126.936,-1.74 128.66,-3.463 128.66,-12.465 128.35,-12.775 128.35,-13.995
  Bottom Layer w0.2: v1(126.748,13.9) 126.748,13.792 126.936,13.603 126.936,9.872 126.773,9.708 v1(126.773,9.6) ; Z2.68@132.9,41.2 133.2,41.2 133.4,41.4 133.75,41.4 133.867,41.283 133.867,40.747 134.754,39.861 v1(134.771,39.861)
AI_N14: J7.6 Z2.67 | length 71.1
  Top Layer w0.2: v1(123.875,14.8) 123.875,14.908 123.711,15.072 123.711,30.611 126,32.9 126.045,32.9 126.727,33.582 v1(126.727,33.6) ; v1(123.9,8.9) 123.9,8.792 123.736,8.628 123.736,-5.929 119.5,-10.166 119.5,-14.8 121.2,-16.5 125.092,-16.5 125.6,-15.992 125.6,-15.826 125.483,-15.709 124.764,-15.709 124.27,-15.215 124.27,-13.995
  Bottom Layer w0.2: v1(123.875,14.8) 123.875,14.692 123.736,14.553 123.736,9.172 123.9,9.008 v1(123.9,8.9) ; v1(126.727,33.6) 126.65,33.677 126.65,33.878 126.611,33.917 126.611,39.646 128.366,41.4 128.6,41.4 128.8,41.2 Z2.67@129.1,41.2
AI_N15: J7.5 Z2.74 | length 58
  Top Layer w0.2: 125.29,-13.995 125.29,-12.775 125.662,-12.403 125.662,8.618 125.492,8.787 v1(125.492,8.896) ; v1(125.47,14.8) 125.47,14.908 125.634,15.072 125.634,29.589 134.176,38.132 134.176,38.493 v1(134.219,38.537)
  Bottom Layer w0.2: v1(125.492,8.896) 125.492,9.004 125.655,9.167 125.655,14.507 v1@125.513,14.649 ; Z2.74@132.9,38.8 133.2,38.8 133.4,39 133.918,39 134.076,38.842 134.076,38.788 134.219,38.645 v1(134.219,38.537)
AI_N16: J7.8 Z2.73 | length 58.3
  Top Layer w0.2: 122.23,-13.995 122.23,-12.775 122.54,-12.465 122.54,-7.96 124.536,-5.964 124.536,9.328 124.373,9.492 v1(124.373,9.6) ; v1(124.348,13.9) 124.348,14.008 124.511,14.172 124.511,30.477 130.864,36.829 130.864,37.128 130.7,37.292 v1(130.7,37.4)
  Bottom Layer w0.2: v1(124.348,13.9) 124.348,13.792 124.536,13.603 124.536,9.872 124.373,9.708 v1(124.373,9.6) ; Z2.73@129.1,38.8 129.4,38.8 129.6,39 129.95,39 130.864,38.086 130.864,37.672 130.7,37.508 v1(130.7,37.4)
AI_P1: J1.1 Z2.30 | length 121
  Top Layer w0.2: 67.036,-13.995 67.036,-12.775 66.726,-12.465 66.726,-12.17 71.596,-7.3 98.566,-7.3 112.962,7.096 112.962,9.328 113.125,9.492 v1(113.125,9.6) ; v1(113.1,13.9) 113.1,14.008 112.937,14.172 112.937,34.936 127.4,49.4 133.366,49.4 136.2,52.234 136.2,54.097 135.191,55.106 135.191,55.338 v1(135.114,55.414)
  Bottom Layer w0.2: v1(113.1,13.9) 113.1,13.792 112.962,13.653 112.962,9.872 113.125,9.708 v1(113.125,9.6) ; Z2.30@132.9,56.4 133.2,56.4 133.4,56.2 134.097,56.2 134.806,55.491 135.038,55.491 v1(135.114,55.414)
AI_P2: J1.3 Z2.29 | length 130.3
  Top Layer w0.2: 64.996,-13.995 64.996,-15.215 64.502,-15.709 63.783,-15.709 63.666,-15.826 63.666,-16.157 62.923,-16.9 59.5,-16.9 58.4,-15.8 58.4,-11.634 66.134,-3.9 97.2,-3.9 108.962,7.862 108.962,8.628 108.766,8.823 108.721,8.823 v1(108.798,8.9) ; v1(108.773,14.8) 108.773,14.908 108.937,15.072 108.937,35.602 126.059,52.724 126.761,52.724 127.237,53.2 127.237,53.528 127.073,53.692 v1(127.073,53.8)
  Bottom Layer w0.2: v1(108.773,14.8) 108.773,14.692 108.962,14.503 108.962,9.172 108.798,9.008 v1(108.798,8.9) ; v1(127.073,53.8) 127.073,53.908 127.237,54.072 127.237,55.402 128.034,56.2 128.6,56.2 128.8,56.4 Z2.29@129.1,56.4
AI_P3: J1.4 Z2.36 | length 119.5
  Top Layer w0.2: 63.976,-13.995 63.976,-12.775 63.666,-12.465 63.666,-12.17 69.536,-6.3 98.166,-6.3 111.555,7.089 111.555,8.709 111.744,8.898 v1(111.744,9.006) ; v1(111.822,14.8) 111.822,14.908 111.659,15.072 111.659,35.093 126.866,50.3 132.466,50.3 133.649,51.483 134.212,51.483 134.564,51.834 134.564,52.328 134.727,52.492 v1(134.727,52.6)
  Bottom Layer w0.2: v1(111.744,9.006) 111.667,9.083 111.667,9.315 111.659,9.323 111.659,14.528 111.822,14.692 v1(111.822,14.8) ; Z2.36@132.9,54 133.2,54 133.4,53.8 134.129,53.8 134.564,53.366 134.564,52.872 134.727,52.708 v1(134.727,52.6)
AI_P4: J1.7 Z2.35 | length 119.4
  Top Layer w0.2: 60.916,-13.995 60.916,-12.775 60.606,-12.465 60.606,-12.094 67.4,-5.3 97.766,-5.3 110.501,7.435 110.501,9.268 110.725,9.492 v1(110.725,9.6) ; v1(110.727,13.9) 110.727,14.008 110.563,14.172 110.563,35.298 126.466,51.2 130.476,51.2 130.923,51.648 130.923,51.855 131.26,52.192 131.327,52.192 v1(131.327,52.3)
  Bottom Layer w0.2: v1(110.725,9.6) 110.725,9.708 110.562,9.872 110.562,11.549 110.563,11.551 110.563,13.628 110.727,13.792 v1(110.727,13.9) ; Z2.35@129.1,54 129.4,54 129.6,53.8 130.429,53.8 131.164,53.066 131.164,52.572 131.327,52.408 v1(131.327,52.3)
AI_P5: J3.1 Z2.42 | length 97.7
  Top Layer w0.2: 87.814,-13.995 87.814,-12.775 87.504,-12.465 87.504,-12.17 88.374,-11.3 100.166,-11.3 117.762,6.296 117.762,9.328 117.925,9.492 v1(117.925,9.6) ; v1(117.9,13.9) 117.9,14.008 117.737,14.172 117.737,33.682 127.99,43.936 132.701,43.936 135.877,47.112 135.877,49.785 135.528,50.134 135.528,50.366 v1(135.451,50.442)
  Bottom Layer w0.2: v1(117.9,13.9) 117.9,13.792 117.762,13.653 117.762,9.872 117.925,9.708 v1(117.925,9.6) ; Z2.42@132.9,51.6 133.2,51.6 133.4,51.4 134.262,51.4 135.144,50.519 135.375,50.519 v1(135.451,50.442)
AI_P6: J3.3 Z2.41 | length 107.5
  Top Layer w0.2: 85.774,-13.995 85.774,-15.215 85.28,-15.709 84.561,-15.709 84.444,-15.826 84.444,-16.157 83.701,-16.9 79.9,-16.9 79.134,-16.134 79.134,-11.8 83.034,-7.9 98.8,-7.9 113.571,6.871 113.571,8.873 v1(113.598,8.9) ; v1(113.573,14.8) 113.573,14.908 113.737,15.072 113.737,33.966 127.263,47.493 127.263,47.928 127.1,48.092 v1(127.1,48.2)
  Bottom Layer w0.2: v1(113.573,14.8) 113.573,14.692 113.762,14.503 113.762,9.172 113.598,9.008 v1(113.598,8.9) ; v1(127.1,48.2) 127.1,48.308 127.263,48.472 127.263,50.579 128.084,51.4 128.6,51.4 128.8,51.6 Z2.41@129.1,51.6
AI_P7: J3.4 Z2.48 | length 96.6
  Top Layer w0.2: 84.754,-13.995 84.754,-12.775 84.444,-12.465 84.444,-12.17 86.314,-10.3 99.766,-10.3 116.562,6.496 116.562,8.628 116.725,8.792 v1(116.725,8.9) ; v1(116.7,14.8) 116.7,14.908 116.537,15.072 116.537,33.737 127.8,45 132.066,45 133.858,46.792 134.301,46.792 134.652,47.143 134.652,47.617 134.827,47.792 v1(134.827,47.9)
  Bottom Layer w0.2: v1(116.7,14.8) 116.7,14.692 116.562,14.553 116.562,9.172 116.725,9.008 v1(116.725,8.9) ; Z2.48@132.9,49.2 133.2,49.2 133.4,49 134.341,49 134.666,48.675 134.666,48.17 134.827,48.008 v1(134.827,47.9)